# Altium PCB ALCT_MEZ_LX150T.PcbDoc (part 6 of 8)
Units mil, origin at the board's own origin, x right, y up, seen from the top; angles counter-clockwise.
Board outline 4101.98 x 5875.01 mil, 12 copper layers (Top Layer, Mid-Layer 1, +3V3, Mid-Layer 2, +1V2, Mid-Layer 4, +2V5, Mid-Layer 5, GND1, Mid-Layer 7, GND2, Bottom Layer), stack 64.7 mil thick; 378 components, 616 nets, 2487 pads, 1686 vias.
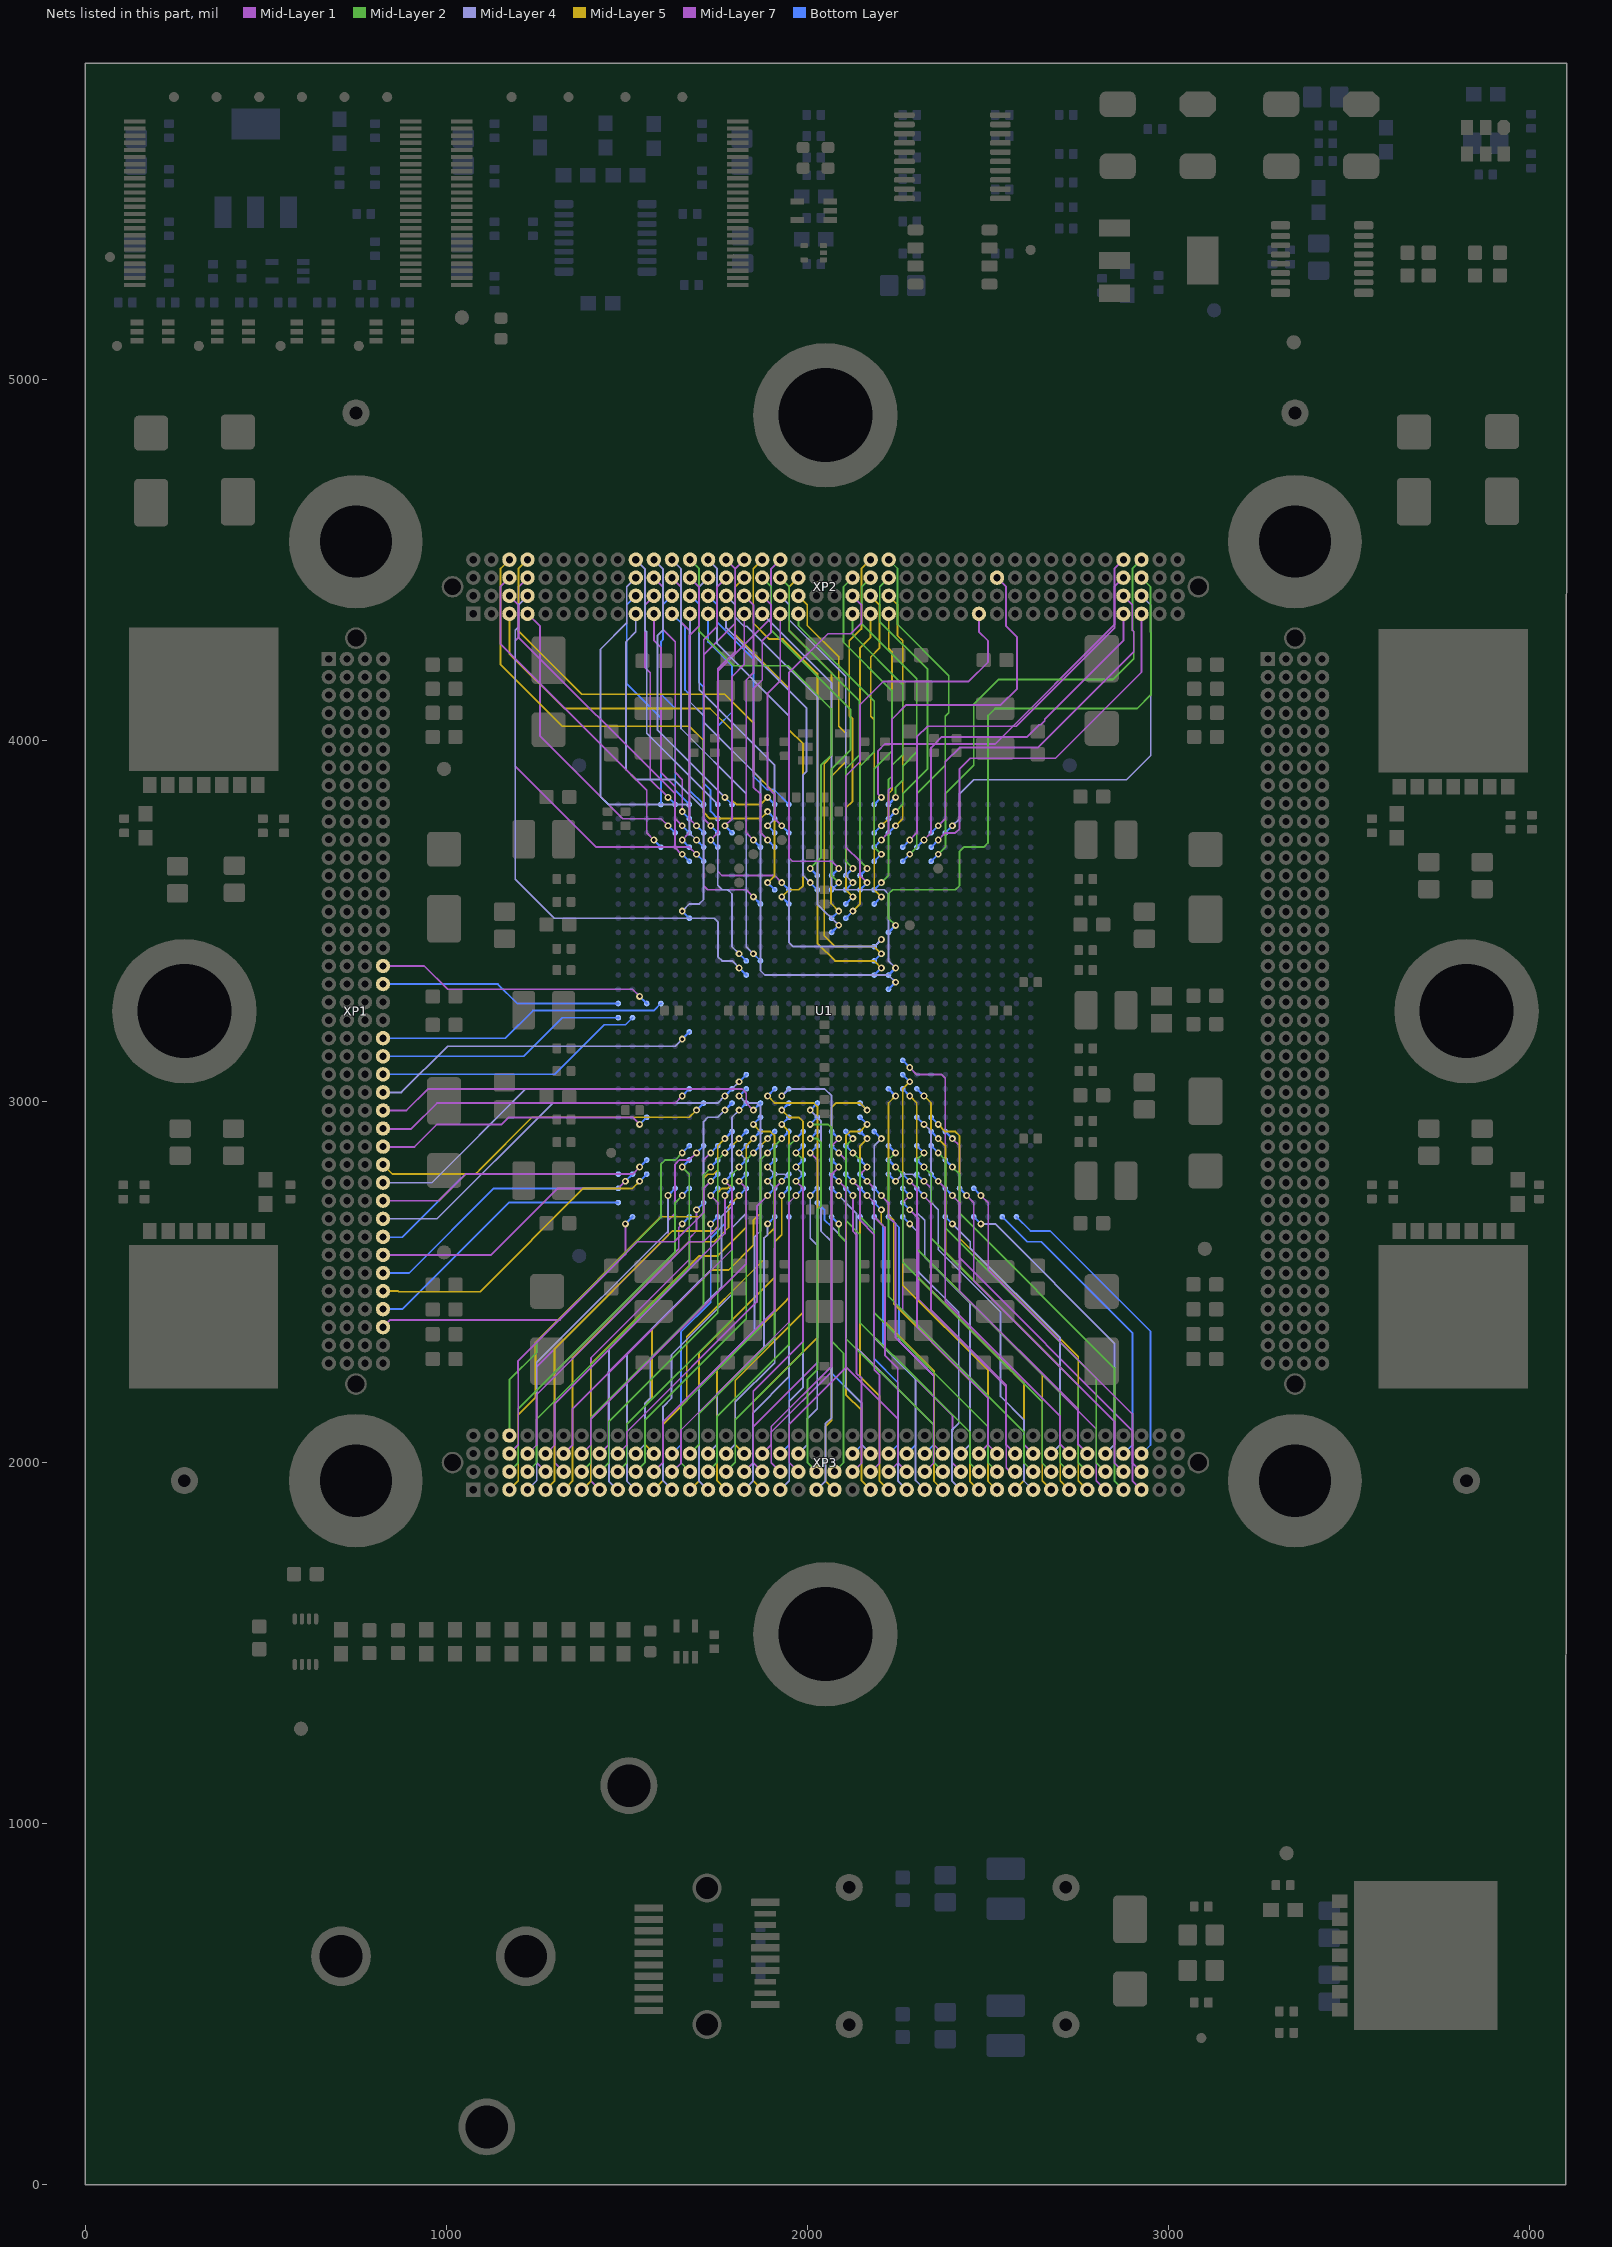
[diagram p16: the nets of this part, all layers, seen from the top]

## Via types
v1: diameter 19, hole 10, Top Layer to Bottom Layer, tented both sides, 1667 vias
v2: diameter 40, hole 20, Top Layer to Bottom Layer, 12 vias
v3: diameter 19, hole 10, Top Layer to Bottom Layer, 7 vias

## Nets (pads, with @x,y where several pads share a name; then routed paths per layer and width w, separated by ;. In a path a pad name is that pad's centre, name@x,y a point inside that pad or via, vN(x,y) a via of type N, cw(c..) or ccw(c..) an arc to the next point about the centre after c; other vN are vias at no path point) (continued)
XP1D_18: U1.AH16 XP1.D18 | length 777.9
  Mid-Layer 7 w5: XP1.D18@825,3375.01 939.37,3375.01 1003.94,3310.44 1515.75,3310.44 v1(1535.43,3290.75)
  Bottom Layer w6: v1@1532.11,3294.08 U1.AH16@1555.12,3271.07
XP1D_19: U1.AK16 XP1.D19 | length 673.7
  Bottom Layer w5: XP1.D19@825,3325.01 1142.93,3325.01 1196.87,3271.07 U1.AK16@1476.38,3271.07
XP1D_22: U1.AG16 XP1.D22 | length 809.3
  Bottom Layer w5: XP1.D22@825,3175.01 1163.78,3175.01 1240.16,3251.38 1574.8,3251.38 U1.AG16@1594.49,3271.07
XP1D_23: U1.AK15 XP1.D23 | length 695.6
  Bottom Layer w5: XP1.D23@825,3125.01 1214.16,3125.01 1320.85,3231.7 U1.AK15@1476.38,3231.7
XP1D_24: U1.AJ15 XP1.D24 | length 755.7
  Bottom Layer w5: XP1.D24@825,3075.01 1300,3075.01 1437.31,3212.32 1496.37,3212.32 U1.AJ15@1515.75,3231.7
XP1D_25: U1.AE14 XP1.D25 | length 917.5
  Mid-Layer 4 w5: XP1.D25@825,3025.01 875.98,3025.01 1003.94,3152.96 1633.89,3152.96 v1(1653.56,3172.63)
  Bottom Layer w6: v1(1653.56,3172.63) U1.AE14@1673.24,3192.32
XP1D_26: U1.Y9 XP1.D26 | length 1118.6
  Mid-Layer 1 w5: XP1.D26@825,2975.01 889.96,2975.01 949.73,3034.78 1818.97,3034.78 1830.53,3023.23 1830.53,2995.65 v1(1850.39,2975.78)
  Bottom Layer w6: v1(1850.39,2975.78) U1.Y9@1870.08,2995.48
XP1D_27: U1.AE10 XP1.D27 | length 894.2
  Mid-Layer 1 w5: XP1.D27@825,2923.82 902.76,2923.82 974.58,2995.65 1634.06,2995.65 v1(1653.56,3015.15)
  Bottom Layer w6: v1(1653.56,3015.15) U1.AE10@1673.23,3034.85
XP1D_28: U1.AH8 XP1.D28 | length 780.4
  Mid-Layer 1 w5: XP1.D28@825,2873.82 911.81,2873.82 974.41,2936.42 1153.53,2936.42 1173.03,2955.92 1515.94,2955.92 v1(1535.44,2936.42)
  Bottom Layer w6: v1(1535.44,2936.42) U1.AH8@1555.12,2956.11
XP1D_29: U1.AD9 XP1.D29 | length 980.2
  Mid-Layer 5 w5: XP1.D29@825,2825.01 851.19,2798.81 1080.91,2798.81 1092.33,2810.24 1092.33,2810.75 1237.51,2955.92 1673.07,2955.92 v1(1692.93,2975.78)
  Bottom Layer w6: v1(1692.93,2975.78) U1.AD9@1712.6,2995.48
XP1D_30: U1.AA11 XP1.D30 | length 1129.6
  Mid-Layer 4 w5: XP1.D30@825,2775.01 960.63,2775.01 1220.47,3034.85 1791.34,3034.85 v1(1811.03,3054.53)
  Bottom Layer w6: v1(1811.03,3054.53) U1.AA11@1830.71,3074.22
XP1D_31: U1.AH5 XP1.D31 | length 781.1
  Mid-Layer 1 w5: XP1.D31@825,2723.82 XP1.D31@828.25,2720.57 ; XP1.D31@825,2725.01 979.53,2725.01 1053.32,2798.8 1515.94,2798.8 v1@1535.13,2817.99
  Bottom Layer w6: v1(1535.44,2818.3) U1.AH5@1555.12,2838
XP1D_32: U1.AB10 XP1.D32 | length 1115.4
  Mid-Layer 4 w5: XP1.D32@825,2675.01 974.41,2675.01 1294.88,2995.48 1751.99,2995.48 v1(1771.66,3015.15)
  Bottom Layer w6: v1(1771.66,3015.15) U1.AB10@1791.34,3034.85
XP1D_33: U1.AK4 XP1.D33 | length 723.8
  Bottom Layer w5: XP1.D33@825,2623.82 878.35,2623.82 1053.15,2798.63 U1.AK4@1476.38,2798.63
XP1D_34: U1.AJ4 XP1.D34 | length 783.4
  Mid-Layer 7 w5: XP1.D34@825,2575.01 1124.8,2575.01 1309.06,2759.26 1476.38,2759.26 v1(1496.06,2778.94)
  Bottom Layer w6: v1@1496.09,2778.94 U1.AJ4@1515.76,2798.62
XP1D_35: U1.AK3 XP1.D35 | length 748.4
  Bottom Layer w5: XP1.D35@825,2525.01 897.64,2525.01 1131.89,2759.26 U1.AK3@1476.38,2759.26
XP1D_36: U1.AH4 XP1.D36 | length 865.6
  Mid-Layer 5 w5: XP1.D36@825,2475.01 866.14,2475.01 867.93,2473.22 1093.87,2473.22 1379.9,2759.26 1515.75,2759.26 v1(1535.43,2778.94)
  Bottom Layer w6: v1(1535.43,2778.94) U1.AH4@1555.13,2798.62
XP1D_37: U1.AK2 XP1.D37 | length 773.5
  Bottom Layer w5: XP1.D37@825,2425.01 878.36,2425.01 1173.25,2719.89 U1.AK2@1476.38,2719.89
XP1D_38: U1.AJ1 XP1.D38 | length 867
  Mid-Layer 7 w5: XP1.D38@825,2375.01 825,2375.21 844.87,2395.08 1314.98,2395.08 1496.06,2576.17 v1(1496.06,2660.83)
  Bottom Layer w6: v1(1496.06,2660.83) U1.AJ1@1515.75,2680.52
XP2A_3: U1.W30 XP2.A3 | length 1146.8
  Mid-Layer 5 w5: XP2.A3@1175,4350.01 1175,4239.79 1326.79,4088 1730.33,4088 1791.15,4027.18 1791.15,3834.23 1802.95,3822.43 1870.26,3822.43 v1(1889.76,3841.93)
  Bottom Layer w6: v1(1889.76,3841.93) U1.W30@1909.45,3822.25
XP2A_4: U1.AF28 XP2.A4 | length 838.1
  Mid-Layer 7 w5: XP2.A4@1225,4350.01 1259.84,4315.16 1259.84,4011.21 1488.36,3782.69 1594.68,3782.69 v1(1614.18,3763.19)
  Bottom Layer w6: v1(1614.18,3763.19) U1.AF28@1633.86,3743.51
XP2A_10: U1.AE22 XP2.A10 | length 1054.1
  Mid-Layer 4 w5: XP2.A10@1525,4350.01 1525,4300.01 1497.69,4272.69 1497.69,3919.05 1525.59,3891.15 1631.91,3891.15 1712.6,3810.46 1712.6,3576.19 1712.43,3576.01 1712.43,3558.26 1701,3546.83 1683.25,3546.83 1683.05,3546.64 1673.23,3546.64 v1(1653.56,3526.97)
  Bottom Layer w6: v1(1653.56,3526.97) U1.AE22@1673.23,3507.29
XP2A_11: U1.AE28 XP2.A11 | length 647.2
  Mid-Layer 7 w5: XP2.A11@1575,4350.01 1575,4276.76 1594.49,4257.27 1594.49,3910.83 1633.86,3871.46 1633.86,3782.9 v1(1653.57,3763.19)
  Bottom Layer w6: v1(1653.57,3763.19) U1.AE28@1673.23,3743.51
XP2A_12: U1.AD30 XP2.A12 | length 564.1
  Bottom Layer w5: XP2.A12@1625,4350.01 1661.44,4313.57 1661.44,4139.16 1673.23,4127.37 1673.23,3861.62 U1.AD30@1712.6,3822.25
XP2A_13: U1.L17 XP2.A13 | length 1484.1
  Mid-Layer 4 w5: XP2.A13@1675,4350.01 1675,4105.91 1712.78,4068.13 1712.78,4050.39 1870.08,3893.1 1870.08,3361.61 1881.7,3349.98 2224.23,3349.98 v1(2244.09,3330.12)
  Bottom Layer w6: U1.L17@2224.41,3310.44 v1(2244.09,3330.12)
XP2A_14: U1.AC30 XP2.A14 | length 571.5
  Bottom Layer w5: XP2.A14@1725,4350.01 1725,4272.45 1791.34,4206.11 1791.34,4078.16 1751.97,4038.79 U1.AC30@1751.97,3822.25
XP2A_15: U1.T24 XP2.A15 | length 876.8
  Mid-Layer 4 w5: XP2.A15@1775,4350.01 1775,4311.03 1997.85,4088.18 1997.85,3913.62 1988.19,3903.96 1988.19,3625.75 1988.01,3625.57 v1(2007.88,3605.7)
  Bottom Layer w6: v1(2007.88,3605.7) U1.T24@2027.56,3586.02
XP2A_16: U1.AB28 XP2.A16 | length 636.7
  Mid-Layer 1 w5: v1(1771.67,3763.19) 1791.52,3783.05 1791.52,4176.58 1825,4210.06 XP2.A16@1825,4350.01
  Bottom Layer w6: v1(1771.67,3763.19) U1.AB28@1791.34,3743.51
XP2A_17: U1.L18 XP2.A17 | length 1239.7
  Mid-Layer 4 w5: XP2.A17@1875,4350.01 2066.93,4158.08 2066.93,3597.82 2078.55,3586.2 2212.44,3586.2 2224.23,3574.41 2224.23,3438.4 2224.22,3389.36 v1(2244.09,3369.48)
  Bottom Layer w6: U1.L18@2224.41,3349.81 v1(2244.09,3369.48)
XP2A_18: U1.V28 XP2.A18 | length 645.5
  Mid-Layer 1 w5: XP2.A18@1925,4350.01 1925,4164.97 1889.76,4129.74 1889.76,3869.51 1909.63,3849.64 1909.63,3782.71 v1(1929.15,3763.19)
  Bottom Layer w6: v1(1929.15,3763.19) U1.V28@1948.82,3743.51
XP2A_19: U1.N25 XP2.A19 | length 843.9
  Mid-Layer 2 w5: XP2.A19@1975,4350.01 1975,4317.72 2184.85,4107.87 2184.85,3967.75 2145.85,3928.75 2145.85,3664.58 v1(2165.36,3645.07)
  Bottom Layer w6: U1.N25@2145.68,3625.38 v1(2165.36,3645.07)
XP2A_22: U1.M24 XP2.A22 | length 854.2
  Mid-Layer 2 w5: XP2.A22@2125,4350.01 2125,4292.7 2263.78,4153.92 2263.78,3960.05 2234.25,3930.52 2234.25,3900.99 2224.24,3890.97 2224.24,3692.7 2224.36,3692.58 2224.36,3625.33 v1(2204.73,3605.7)
  Bottom Layer w6: U1.M24@2185.04,3586.02 v1(2204.73,3605.7)
XP2A_23: U1.P22 XP2.A23 | length 871.2
  Mid-Layer 5 w5: v1(2125.99,3526.97) 2145.5,3546.48 2145.5,4255.15 2175,4284.65 XP2.A23@2175,4350.01
  Bottom Layer w6: U1.P22@2106.3,3507.29 v1(2125.99,3526.97)
XP2A_24: U1.M28 XP2.A24 | length 630.7
  Mid-Layer 5 w5: v1(2204.72,3763.19) 2224.59,3783.07 2224.59,3851.96 2234.25,3861.62 2234.25,4245.48 2225,4254.73 XP2.A24@2225,4350.01
  Bottom Layer w6: U1.M28@2185.04,3743.51 v1(2204.72,3763.19)
XP2A_29: U1.N24 XP2.A29 | length 1108.4
  Mid-Layer 1 w5: v1(2165.36,3605.7) 2145.86,3625.2 2145.86,3664.58 2106.36,3704.08 2106.36,3901.05 2145.67,3940.36 2145.67,4097.84 2210.63,4162.8 2446.85,4162.8 2500,4215.95 2500,4275.01 2475,4300.01 XP2.A29@2475,4350.01
  Bottom Layer w6: U1.N24@2145.68,3586.02 v1(2165.36,3605.7)
XP2A_37: U1.J27 XP2.A37 | length 1023.4
  Mid-Layer 1 w5: v1(2322.84,3723.82) 2342.34,3743.32 2342.34,3979.55 2372.05,4009.26 2608.27,4009.26 2641.92,4042.91 2645.87,4042.91 2657.3,4054.33 2657.3,4058.29 2875,4275.99 XP2.A37@2875,4350.01
  Bottom Layer w6: U1.J27@2303.15,3704.14 v1(2322.84,3723.82)
XP2A_38: U1.H27 XP2.A38 | length 1041.7
  Mid-Layer 1 w5: v1(2362.21,3723.82) 2381.71,3743.32 2409.28,3743.32 2421.26,3755.3 2421.26,3920.67 2450.79,3950.2 2687.01,3950.2 2925,4188.19 XP2.A38@2925,4350.01
  Bottom Layer w6: U1.H27@2342.52,3704.14 v1(2362.21,3723.82)
XP2B_3: U1.AE26 XP2.B3 | length 943.1
  Mid-Layer 1 w5: XP2.B3@1175,4400.01 1200,4375.01 1200,4285.64 1633.68,3851.95 1633.68,3701.8 1651.03,3684.45 v1(1653.56,3684.45)
  Bottom Layer w6: v1(1653.56,3684.45) U1.AE26@1673.23,3664.77
XP2B_4: U1.AA18 XP2.B4 | length 1604.9
  Mid-Layer 4 w5: XP2.B4@1225,4400.01 1200.5,4375.51 1200.5,4314.38 1190.94,4304.82 1190.94,3615.56 1299.21,3507.29 1742.13,3507.29 1752.16,3497.26 1752.16,3400.77 1763.95,3388.98 1791.53,3388.98 v1(1811.03,3369.48)
  Bottom Layer w6: v1(1811.03,3369.48) U1.AA18@1830.71,3349.81
XP2B_10: U1.AG30 XP2.B10 | length 627.2
  Bottom Layer w5: XP2.B10@1525,4400.01 1500,4375.01 1500,4156.88 1594.49,4062.39 U1.AG30@1594.49,3822.25
XP2B_11: U1.AF30 XP2.B11 | length 622.4
  Mid-Layer 7 w5: XP2.B11@1575,4400.01 1550.5,4375.51 1550.5,4200.88 1564.96,4186.42 1564.96,3891.15 v1(1614.17,3841.93)
  Bottom Layer w5: v1(1614.17,3841.93) U1.AF30@1633.86,3822.25
XP2B_12: U1.AE30 XP2.B12 | length 622.9
  Bottom Layer w5: XP2.B12@1625,4400.01 1600,4375.01 1600,4278.57 1594.67,4273.24 1594.67,4127.18 1633.86,4088 1633.86,3861.62 U1.AE30@1673.23,3822.25
XP2B_13: U1.AC29 XP2.B13 | length 649.7
  Bottom Layer w5: XP2.B13@1675,4400.01 1676.18,4400.01 1700,4376.19 1700,4159.65 1712.6,4147.05 1712.6,3881.3 1731.96,3861.95 1731.96,3802.89 U1.AC29@1751.97,3782.88
XP2B_14: U1.V30 XP2.B14 | length 682
  Bottom Layer w5: XP2.B14@1725,4400.01 1750,4375.01 1750,4326.19 1850.39,4225.79 1850.39,3900.99 1887.81,3863.57 1907.5,3863.57 U1.V30@1948.82,3822.25
XP2B_15: U1.R21 XP2.B15 | length 1073.8
  Mid-Layer 4 w5: XP2.B15@1775,4400.01 1800,4375.01 1800,4340.35 1824.49,4315.86 1832.19,4315.86 2027.74,4120.31 2027.74,3546.47 v1(2086.61,3487.6)
  Bottom Layer w6: U1.R21@2066.93,3467.92 v1(2086.61,3487.6)
XP2B_16: U1.Y27 XP2.B16 | length 730.7
  Mid-Layer 1 w5: XP2.B16@1825,4400.01 1850.39,4374.61 1850.39,4186.42 1830.89,4166.92 1830.89,3743.32 v1(1850.39,3723.82)
  Bottom Layer w6: v1(1850.39,3723.82) U1.Y27@1870.08,3704.14
XP2B_17: U1.W27 XP2.B17 | length 750.7
  Mid-Layer 1 w5: XP2.B17@1875,4400.01 1899.5,4375.51 1899.5,4299.32 1875.18,4275.01 1875.18,4166.74 1850.58,4142.13 1850.58,3869.7 1870.26,3850.01 1870.26,3743.69 1889.78,3724.18 v1(1889.78,3723.82)
  Bottom Layer w6: v1(1889.78,3723.82) U1.W27@1909.45,3704.14
XP2B_18: U1.P24 XP2.B18 | length 905.4
  Mid-Layer 4 w5: XP2.B18@1925,4400.01 1950,4375.01 1950,4332.88 2106.13,4176.75 2106.13,3625.57 v1(2125.99,3605.7)
  Bottom Layer w6: U1.P24@2106.31,3586.02 v1(2125.99,3605.7)
XP2B_19: U1.R22 XP2.B19 | length 980.7
  Mid-Layer 5 w5: XP2.B19@1975,4400.01 1999.5,4375.51 1999.5,4317.83 2086.61,4230.71 2086.61,4038.79 2106.11,4019.29 2106.11,3940.17 2065.56,3899.62 2065.56,3548.04 v1(2086.63,3526.97)
  Bottom Layer w6: U1.R22@2066.93,3507.29 v1(2086.63,3526.97)
XP2B_22: U1.R25 XP2.B22 | length 1033.7
  Mid-Layer 1 w5: v1(2086.63,3645.07) 2066.93,3664.77 1958.66,3664.77 1948.82,3674.61 1948.82,4186.42 2057.09,4294.69 2120.47,4294.69 2149.5,4323.72 2149.5,4375.51 XP2.B22@2125,4400.01
  Bottom Layer w6: U1.R25@2066.93,3625.4 v1(2086.63,3645.07)
XP2B_23: U1.M23 XP2.B23 | length 894
  Mid-Layer 5 w5: XP2.B23@2175,4400.01 2199.5,4375.51 2199.5,4254.83 2175.2,4230.53 2175.2,4066.37 2184.86,4056.71 2184.86,3586.2 v1(2204.73,3566.33)
  Bottom Layer w6: U1.M23@2185.04,3546.66 v1(2204.73,3566.33)
XP2B_24: U1.L28 XP2.B24 | length 688.9
  Mid-Layer 5 w5: XP2.B24@2225,4400.01 2249.5,4375.51 2249.5,4289.29 2263.78,4275.01 2263.78,3782.89 v1(2244.09,3763.19)
  Bottom Layer w6: U1.L28@2224.41,3743.51 v1(2244.09,3763.19)
XP2B_37: U1.H28 XP2.B37 | length 1027.4
  Mid-Layer 1 w5: v1(2362.2,3763.19) 2381.89,3782.88 2381.89,3940.36 2421.26,3979.73 2637.8,3979.73 2903.36,4245.29 2903.36,4301.17 2899.5,4305.03 2899.5,4375.51 XP2.B37@2875,4400.01
  Bottom Layer w6: U1.H28@2342.52,3743.51 v1(2362.2,3763.19)
XP2B_38: U1.G28 XP2.B38 | length 1150.5
  Mid-Layer 4 w5: v1(2401.57,3763.19) 2421.26,3782.88 2421.26,3851.78 2421.55,3851.78 2460.63,3890.85 2883.56,3890.85 2950.5,3957.79 2950.5,4374.51 XP2.B38@2925,4400.01
  Bottom Layer w6: U1.G28@2381.89,3743.51 v1(2401.57,3763.19)
XP2C_3: U1.AG27 XP2.C3 | length 940.3
  Mid-Layer 1 w5: XP2.C3@1175,4450.01 1150,4425.01 1150,4266.74 1554.95,3861.79 1554.95,3743.68 v1(1574.81,3723.82)
  Bottom Layer w6: v1(1574.81,3723.82) U1.AG27@1594.49,3704.14
XP2C_4: U1.AD26 XP2.C4 | length 1166.4
  Mid-Layer 7 w5: XP2.C4@1225,4450.01 1200.5,4425.51 1200.5,4285.14 1191.13,4275.76 1191.13,3928.2 1415.19,3704.14 1673.24,3704.14 v1(1692.93,3684.45)
  Bottom Layer w6: v1(1692.93,3684.45) U1.AD26@1712.6,3664.77
XP2C_10: U1.AD27 XP2.C10 | length 1030.5
  Mid-Layer 4 w5: XP2.C10@1525,4450.01 1500,4425.01 1500,4325.01 1427.17,4252.17 1427.17,3843.89 1448.8,3822.25 1663.59,3822.25 1673.43,3812.41 1673.43,3743.31 v1(1692.93,3723.82)
  Bottom Layer w6: v1(1692.93,3723.82) U1.AD27@1712.6,3704.14
XP2C_11: U1.AE29 XP2.C11 | length 707.4
  Mid-Layer 7 w5: XP2.C11@1575,4450.01 1599.5,4425.51 1599.5,4307.41 1633.86,4273.06 1633.86,3910.83 1653.54,3891.15 v1(1653.54,3802.56)
  Bottom Layer w6: v1@1653.86,3802.25 U1.AE29@1673.23,3782.88
XP2C_12: U1.AE27 XP2.C12 | length 782
  Mid-Layer 7 w5: XP2.C12@1625,4450.01 1649.5,4425.51 1649.5,4328.26 1673.07,4304.69 1673.07,3743.33 v1(1653.56,3723.82)
  Bottom Layer w6: v1(1653.56,3723.82) U1.AE27@1673.23,3704.14
XP2C_13: U1.AD28 XP2.C13 | length 743.7
  Mid-Layer 1 w5: XP2.C13@1675,4450.01 1699.5,4425.51 1699.5,4315.63 1673.41,4289.54 1673.41,3782.71 v1(1692.93,3763.19)
  Bottom Layer w6: v1(1692.93,3763.19) U1.AD28@1712.6,3743.51
XP2C_14: U1.W28 XP2.C14 | length 819.3
  Mid-Layer 4 w5: XP2.C14@1725,4450.01 1700.5,4425.51 1700.5,4139.47 1909.26,3930.7 1909.26,3782.67 v1(1889.78,3763.19)
  Bottom Layer w6: v1(1889.78,3763.19) U1.W28@1909.45,3743.51
XP2C_15: U1.AC28 XP2.C15 | length 748.5
  Mid-Layer 1 w5: v1(1732.3,3763.19) 1712.78,3782.71 1712.78,4278.41 1750,4315.63 1750,4425.01 XP2.C15@1775,4450.01
  Bottom Layer w6: v1(1732.3,3763.19) U1.AC28@1751.98,3743.52
XP2C_16: U1.V23 XP2.C16 | length 1039.9
  Mid-Layer 5 w5: XP2.C16@1825,4450.01 1800.5,4425.51 1800.5,4292.4 1948.82,4144.08 1948.82,4028.94 1988.03,3989.74 1988.03,3597.64 1976.59,3586.2 1949.01,3586.2 v1(1929.14,3566.33)
  Bottom Layer w6: v1(1929.14,3566.33) U1.V23@1948.82,3546.66
XP2C_17: U1.R24 XP2.C17 | length 1003.6
  Mid-Layer 2 w5: XP2.C17@1875,4450.01 1900,4425.01 1900,4304.14 2119.74,4084.4 2119.74,3973.49 2066.93,3920.67 2066.93,3625.4 v1(2086.63,3605.7)
  Bottom Layer w6: U1.R24@2066.94,3586.02 v1(2086.63,3605.7)
XP2C_18: U1.P25 XP2.C18 | length 947.5
  Mid-Layer 2 w5: XP2.C18@1925,4450.01 1950,4425.01 1950,4303.35 2144.11,4109.24 2144.11,3958.49 2106.14,3920.51 2106.14,3664.93 v1(2125.99,3645.07)
  Bottom Layer w6: U1.P25@2106.3,3625.4 v1(2125.99,3645.07)
XP2C_19: U1.M19 XP2.C19 | length 1265
  Mid-Layer 5 w5: XP2.C19@1975,4450.01 1950,4425.01 1950,4303.17 2066.74,4186.42 2066.74,3955.12 2046.56,3934.94 2046.56,3458.76 2076.77,3428.55 2185.01,3428.55 v1(2204.72,3408.84)
  Bottom Layer w6: U1.M19@2185.04,3389.18 v1(2204.72,3408.84)
XP2C_22: U1.M26 XP2.C22 | length 887.6
  Mid-Layer 2 w5: XP2.C22@2125,4450.01 2100,4425.01 2100,4271.46 2234.07,4137.4 2234.07,3969.7 2185.22,3920.86 2185.22,3703.96 v1(2204.73,3684.45)
  Bottom Layer w6: U1.M26@2185.04,3664.77 v1(2204.73,3684.45)
XP2C_23: U1.L30 XP2.C23 | length 737.3
  Mid-Layer 2 w5: XP2.C23@2175,4450.01 2150.5,4425.51 2150.5,4322.36 2302.96,4169.89 2302.96,3967.75 2263.78,3928.57 2263.78,3889.5 2244.09,3869.81 v1(2244.09,3841.93)
  Bottom Layer w6: U1.L30@2224.41,3822.25 2224.41,3824.08 U1.L30@2224.41,3822.25 v1(2244.09,3841.93)
XP2C_24: U1.L29 XP2.C24 | length 776.9
  Mid-Layer 2 w5: XP2.C24@2225,4450.01 2200.5,4425.51 2200.5,4328.44 2332.68,4196.27 2332.68,3920.67 2263.78,3851.78 2263.78,3822.25 v1(2244.09,3802.56)
  Bottom Layer w6: U1.L29@2224.41,3782.88 v1(2244.09,3802.56)
XP2C_30: U1.M27 XP2.C30 | length 1086.2
  Mid-Layer 1 w5: v1(2204.73,3723.82) 2224.41,3743.5 2224.41,3861.68 2234.25,3871.53 2234.25,4058.47 2273.62,4097.84 2535.45,4097.84 2580.74,4143.13 2580.74,4284.85 2550,4315.59 2550,4425.01 XP2.C30@2525,4450.01
  Bottom Layer w6: U1.M27@2185.04,3704.14 v1(2204.73,3723.82)
XP2C_37: U1.K27 XP2.C37 | length 1143.2
  Mid-Layer 1 w5: v1(2283.48,3723.82) 2303.15,3743.49 2303.15,4009.26 2332.68,4038.79 2578.74,4038.79 2850,4310.04 2850,4425.01 XP2.C37@2875,4450.01
  Bottom Layer w6: U1.K27@2263.78,3704.14 v1(2283.48,3723.82)
XP2C_38: U1.L21 XP2.C38 | length 1674.6
  Mid-Layer 2 w5: v1(2244.1,3487.6) 2224.41,3507.29 2224.41,3574.23 2236.21,3586.03 2409.48,3586.03 2421.26,3597.81 2421.26,3692.34 2433.06,3704.14 2488.23,3704.14 2500,3715.91 2500,4068.31 2519.68,4088 2913.39,4088 2951,4125.61 2951,4299.01 2950,4300.01 2950,4425.01 XP2.C38@2925,4450.01
  Bottom Layer w6: U1.L21@2224.41,3467.92 v1(2244.1,3487.6)
XP2D_3: U1.W29 XP2.D3 | length 1369.5
  Mid-Layer 5 w5: XP2.D3@1175,4500.01 1150.5,4475.51 1150.5,4209.13 1320.85,4038.79 1673.23,4038.79 1712.6,3999.41 1712.6,3800.1 1729.66,3783.04 1870.24,3783.04 v1(1889.76,3802.56) v1(1889.76,3802.56)
  Bottom Layer w6: v1(1889.76,3802.56) U1.W29@1909.45,3782.88
XP2D_4: U1.W24 XP2.D4 | length 1466.4
  Mid-Layer 5 w5: XP2.D4@1225,4500.01 1200,4475.01 1200,4302.86 1375.49,4127.37 1771.67,4127.37 1850.39,4048.65 1850.39,3912.78 1909.29,3853.88 1909.29,3625.22 v1(1889.78,3605.7)
  Bottom Layer w6: v1(1889.78,3605.7) U1.W24@1909.45,3586.03
XP2D_10: U1.AA19 XP2.D10 | length 1246.7
  Mid-Layer 4 w5: XP2.D10@1525,4500.01 1550,4475.01 1550,4305.12 1555.12,4300.01 1555.12,4019.1 1751.8,3822.42 1751.8,3597.98 1763.95,3585.83 1779.74,3585.83 1791.34,3574.23 1791.34,3428.54 v1(1811.03,3408.84)
  Bottom Layer w6: v1(1811.03,3408.84) U1.AA19@1830.71,3389.18
XP2D_11: U1.AB30 XP2.D11 | length 780.1
  Mid-Layer 4 w5: XP2.D11@1575,4500.01 1600,4475.01 1600,4304.53 1584.65,4289.18 1584.65,4028.94 v1(1771.65,3841.93)
  Bottom Layer w5: v1(1771.65,3841.93) U1.AB30@1791.34,3822.25
XP2D_12: U1.Y19 XP2.D12 | length 1212.4
  Mid-Layer 4 w5: XP2.D12@1625,4500.01 1650,4475.01 1650,4032.49 1830.71,3851.78 1830.71,3428.54 v1(1850.4,3408.84)
  Bottom Layer w5: v1(1850.4,3408.84) U1.Y19@1870.08,3389.18
XP2D_13: U1.T25 XP2.D13 | length 1157.6
  Mid-Layer 2 w5: XP2.D13@1675,4500.01 1700,4475.01 1700,4302.37 1796.07,4206.29 1946.68,4206.29 2066.74,4086.23 2066.74,3959.86 2037.4,3930.52 2037.4,3674.59 v1(2007.88,3645.07)
  Bottom Layer w6: v1(2007.88,3645.07) U1.T25@2027.56,3625.4
XP2D_14: U1.M20 XP2.D14 | length 1449
  Mid-Layer 4 w5: XP2.D14@1725,4500.01 1750,4475.01 1750,4267.13 1948.82,4068.31 1948.82,3440.31 1960.44,3428.69 2185.22,3428.69 v1(2204.72,3448.19)
  Bottom Layer w6: U1.M20@2185.04,3428.52 v1(2204.72,3448.19)
XP2D_15: U1.AC27 XP2.D15 | length 842.4
  Mid-Layer 1 w5: v1(1732.29,3723.82) 1752.15,3743.68 1752.15,4197.82 1799.5,4245.17 1799.5,4300.71 1800,4301.21 1800,4475.01 XP2.D15@1775,4500.01
  Bottom Layer w6: v1(1732.29,3723.82) U1.AC27@1751.98,3704.13
XP2D_16: U1.Y23 XP2.D16 | length 1127.3
  Mid-Layer 7 w5: XP2.D16@1825,4500.01 1800,4475.01 1800,4324.22 1712.78,4237 1712.78,3597.63 1724.58,3585.83 1830.89,3585.83 v1(1850.39,3566.33)
  Bottom Layer w6: v1(1850.39,3566.33) U1.Y23@1870.08,3546.66
XP2D_17: U1.M18 XP2.D17 | length 1401
  Mid-Layer 5 w5: XP2.D17@1875,4500.01 1850,4475.01 1850,4324.61 1894.68,4279.93 1932.1,4279.93 2027.56,4184.47 2027.56,3438.39 2076.77,3389.18 2185.03,3389.18 v1(2204.73,3369.48)
  Bottom Layer w6: U1.M18@2185.04,3349.81 v1(2204.73,3369.48)
XP2D_18: U1.V24 XP2.D18 | length 1152.5
  Mid-Layer 7 w5: XP2.D18@1925,4500.01 1899.61,4474.61 1899.61,4338.8 1751.97,4191.16 1751.97,3637.18 1763.58,3625.57 1909.28,3625.57 v1(1929.14,3605.7)
  Bottom Layer w6: v1(1929.14,3605.7) U1.V24@1948.83,3586.02
XP2D_23: U1.P23 XP2.D23 | length 1005.4
  Mid-Layer 5 w5: v1(2125.99,3566.33) 2106.49,3585.84 2106.49,3782.88 2106.48,3812.41 2125.11,3831.04 2125.11,4059.34 2116.14,4068.31 2116.14,4275.01 2149.5,4308.36 2149.5,4474.51 XP2.D23@2175,4500.01
  Bottom Layer w6: U1.P23@2106.3,3546.66 v1(2125.99,3566.33)
XP2D_24: U1.K26 XP2.D24 | length 957.1
  Mid-Layer 2 w5: XP2.D24@2225,4500.01 2249.5,4475.51 2249.5,4320.76 2391.55,4178.72 2391.55,4076.02 2381.7,4066.18 2381.7,3930.33 2302.99,3851.61 2302.99,3703.96 v1(2283.48,3684.45)